# Altium PCB qfc.PcbDoc (part 6 of 13)
Units mil, origin at the board's own origin, x right, y up, seen from the top; angles counter-clockwise.
Board outline 1990 x 2620 mil, 4 copper layers (Top Layer, Mid-Layer 1, Mid-Layer 2, Bottom Layer); 217 components, 187 nets, 805 pads, 370 vias.
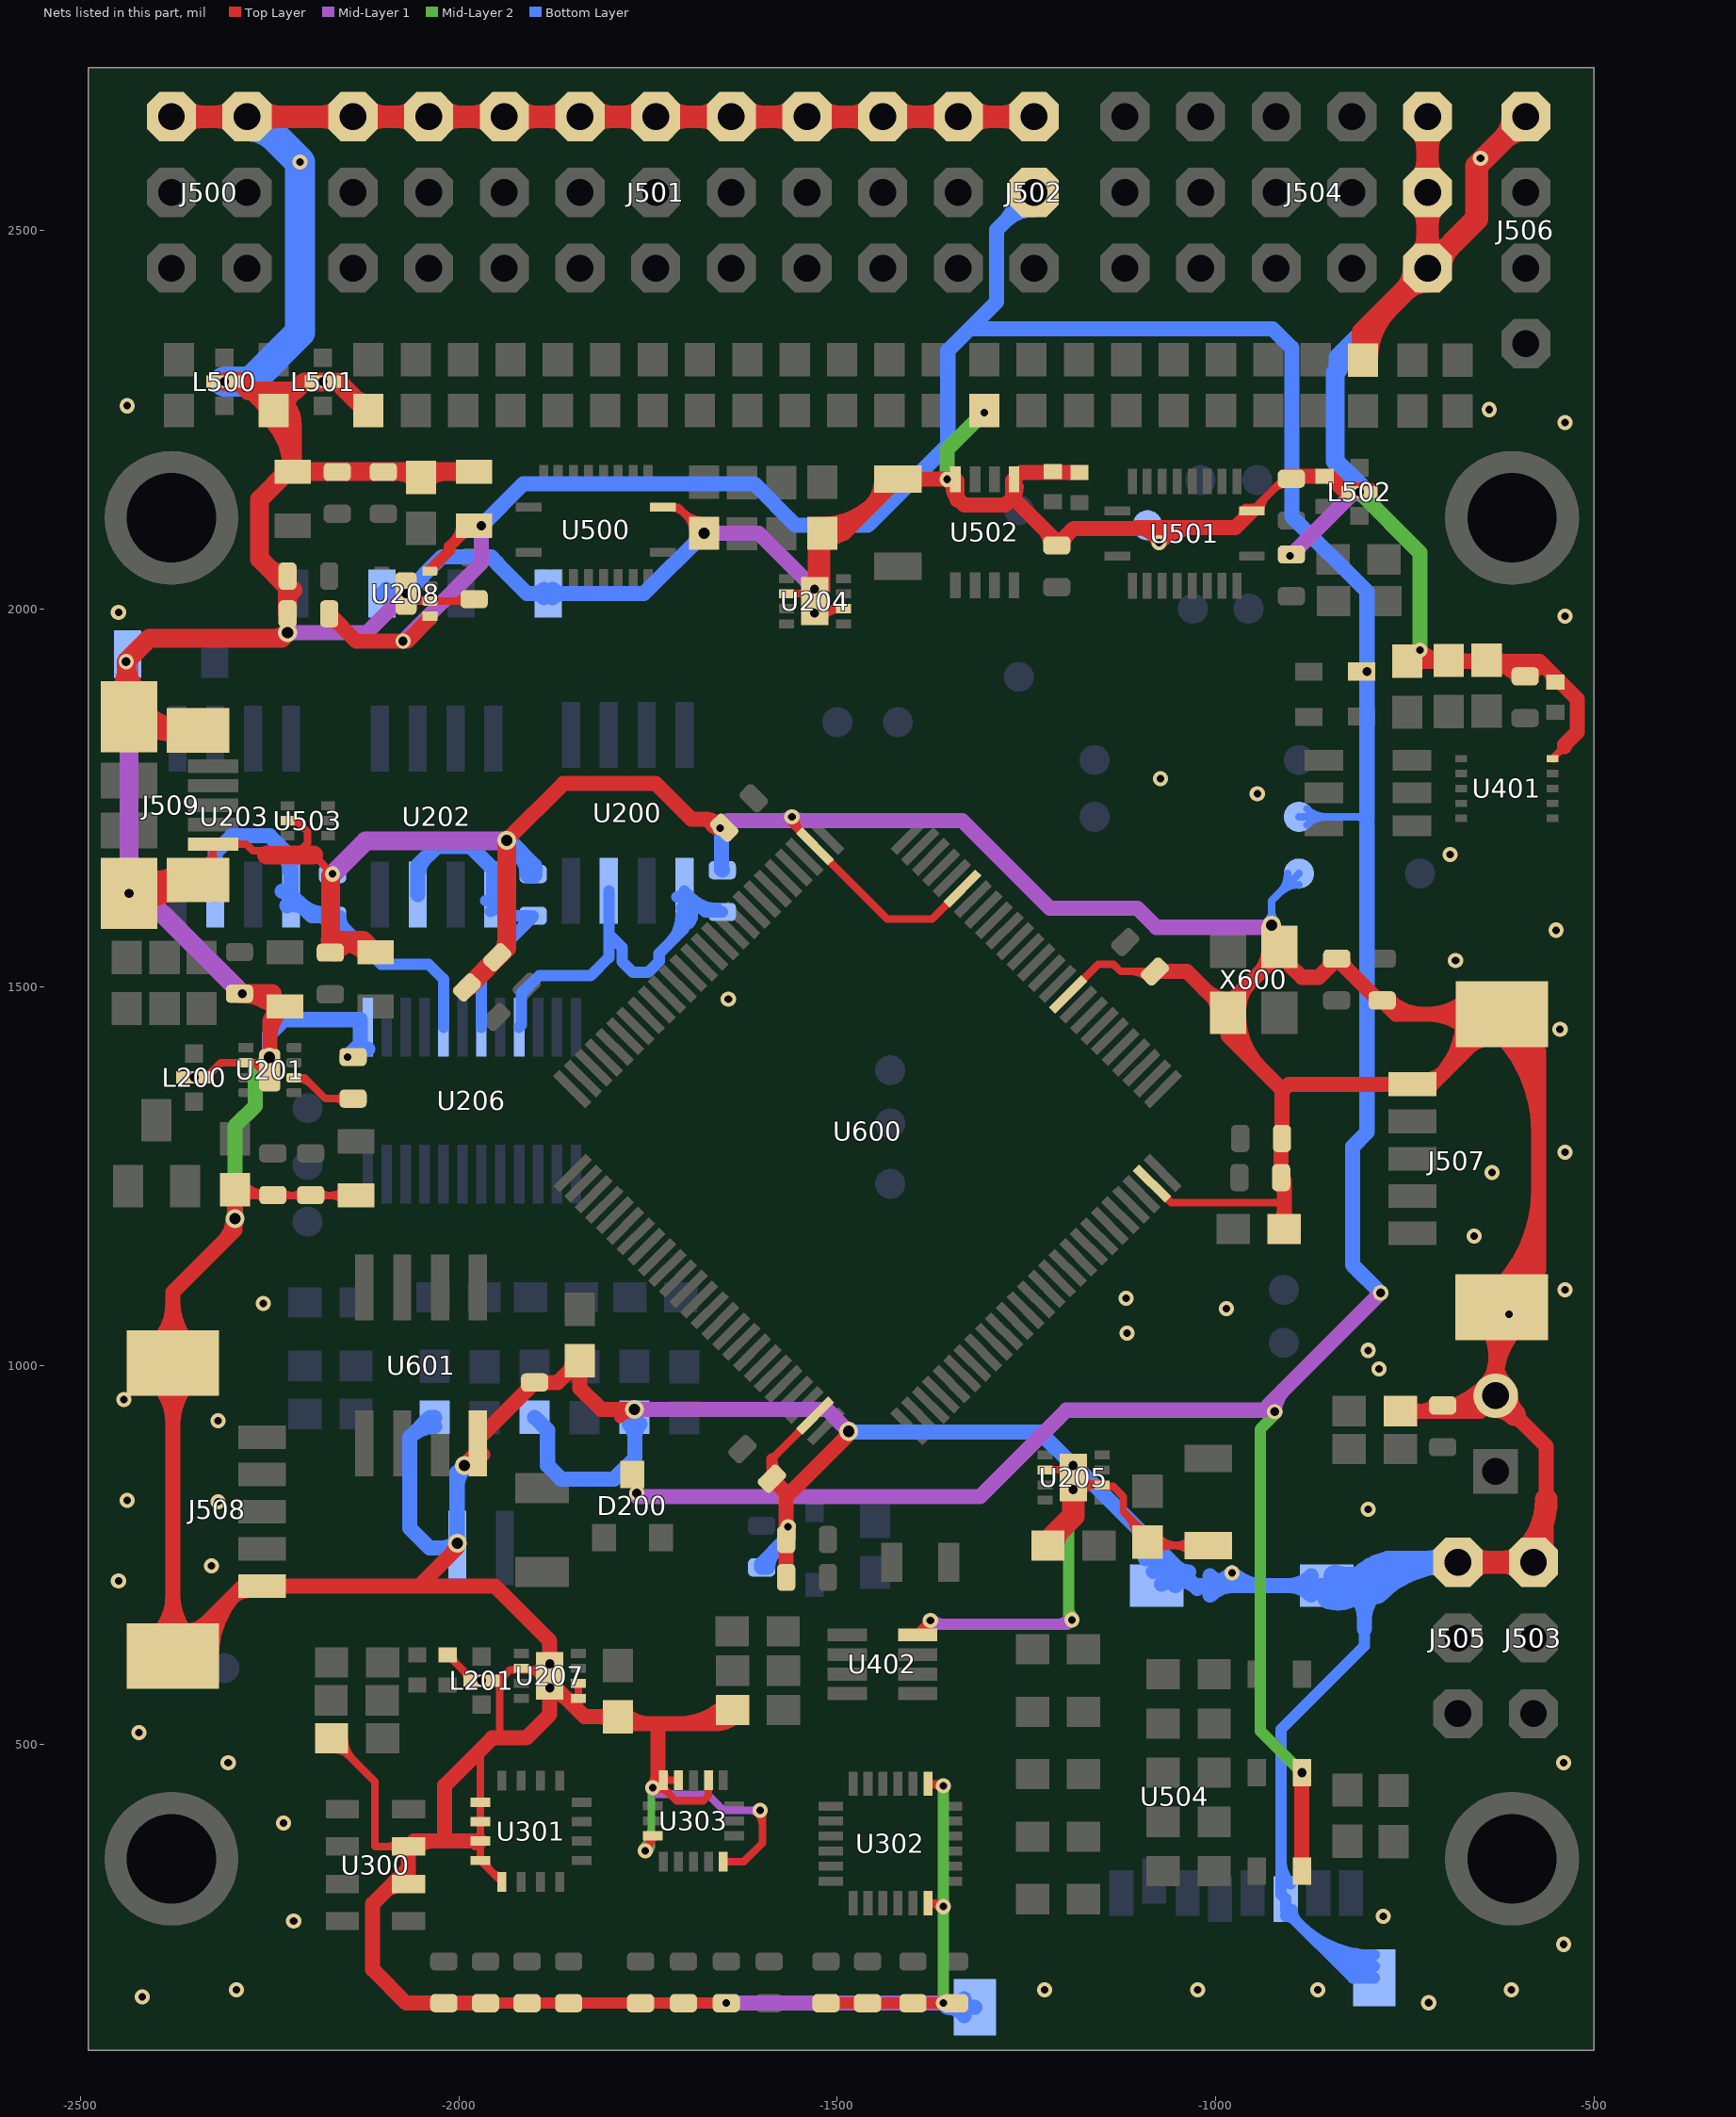
[diagram p8: the nets of this part, all layers, seen from the top]

## Via types
v1: diameter 20, hole 10, Top Layer to Bottom Layer, tented both sides, 256 vias
v2: diameter 22, hole 12, Top Layer to Bottom Layer, tented both sides, 31 vias
v3: diameter 25, hole 15, Top Layer to Bottom Layer, tented both sides, 29 vias
v4: diameter 20, hole 12, Top Layer to Bottom Layer, tented both sides, 17 vias
v5: diameter 30, hole 15, Top Layer to Bottom Layer, tented both sides, 12 vias
v6: diameter 25, hole 12, Top Layer to Bottom Layer, tented both sides, 11 vias
v7: diameter 25, hole 13, Top Layer to Bottom Layer, tented both sides, 5 vias
v8: diameter 40, hole 25, Top Layer to Bottom Layer, tented both sides, 2 vias
v9: diameter 23, hole 13, Top Layer to Bottom Layer, tented both sides, 2 vias
v10: diameter 30, hole 20, Top Layer to Bottom Layer, tented both sides, 2 vias
v11: diameter 20, hole 13, Top Layer to Bottom Layer, tented both sides, 1 vias
v12: diameter 20, hole 15, Top Layer to Bottom Layer, tented both sides, 1 vias
v13: diameter 30, hole 18, Top Layer to Bottom Layer, tented both sides, 1 vias

## Nets (pads, with @x,y where several pads share a name; then routed paths per layer and width w, separated by ;. In a path a pad name is that pad's centre, name@x,y a point inside that pad or via, vN(x,y) a via of type N, cw(c..) or ccw(c..) an arc to the next point about the centre after c; other vN are vias at no path point) (continued)
GND: (continued)
  Top Layer w30: J500.GND@-2380,2650 J500.GND@-2280,2650 J501.GND@-2140,2650 J501.GND@-2040,2650 J501.GND@-1940,2650 J501.GND@-1840,2650 J501.GND@-1740,2650 J501.GND@-1640,2650 J501.GND@-1540,2650 J501.GND@-1440,2650 J501.GND@-1340,2650 J502.GND@-1240,2650 ; U204.GND@-1524,2025.75 -1524,2095.54 R221.1@-1520,2099.54 ; R219.1@-1221.65,762.16 -1221.65,767.8 -1188.19,801.27 U205.GND@-1188.19,836.16 ; R513.1@-805.19,2328.46 -805.19,2364.81 J504.GND@-720,2450 ; J504.GND@-720,2650 J504.GND@-720,2550 J504.GND@-720,2450 ; J505.GND@-680,740 J503.GND@-580,740 ; P400.2@-630,945.47 cw(c-630,910.4) -605.2,935.2 cw(c-580.4,960) P400.2@-615.47,960 ; J506.GND@-590,2650 -655,2585 -655,2515 J504.GND@-720,2450 ; -563,823.29 cw(c-663.29,823.29) J503.GND@-592.37,752.38 ; J500.GND@-2367.63,2637.63 cw(c-2337.75,2607.75) -2337.75,2650 ; J500.GND@-2367.63,2637.63 cw(c-2337.75,2607.75) -2337.75,2650 ; J500.GND@-2367.63,2637.63 cw(c-2337.75,2607.75) -2337.75,2650 ; J500.GND@-2367.63,2637.63 cw(c-2337.75,2607.75) -2337.75,2650 ; J500.GND@-2367.63,2662.38 ccw(c-2337.75,2692.25) -2337.75,2650 ; J500.GND@-2367.63,2662.38 ccw(c-2337.75,2692.25) -2337.75,2650 ; J500.GND@-2367.63,2662.38 ccw(c-2337.75,2692.25) -2337.75,2650 ; J500.GND@-2367.63,2662.38 ccw(c-2337.75,2692.25) -2337.75,2650 ; -2322.25,2650 cw(c-2322.25,2607.75) J500.GND@-2292.37,2637.63 ; -2322.25,2650 ccw(c-2322.25,2692.25) J500.GND@-2292.37,2662.38 ; -2322.25,2650 cw(c-2322.25,2607.75) J500.GND@-2292.37,2637.63 ; -2322.25,2650 ccw(c-2322.25,2692.25) J500.GND@-2292.37,2662.38 ; -2322.25,2650 cw(c-2322.25,2607.75) J500.GND@-2292.37,2637.63 ; -2322.25,2650 ccw(c-2322.25,2692.25) J500.GND@-2292.37,2662.38 ; -2322.25,2650 cw(c-2322.25,2607.75) J500.GND@-2292.37,2637.63 ; -2322.25,2650 ccw(c-2322.25,2692.25) J500.GND@-2292.37,2662.38 ; J500.GND@-2267.63,2637.63 cw(c-2237.75,2607.75) -2237.75,2650 ; J500.GND@-2267.63,2637.63 cw(c-2237.75,2607.75) -2237.75,2650 ; J500.GND@-2267.63,2637.63 cw(c-2237.75,2607.75) -2237.75,2650 ; J500.GND@-2267.63,2637.63 cw(c-2237.75,2607.75) -2237.75,2650 ; J500.GND@-2267.63,2662.38 ccw(c-2237.75,2692.25) -2237.75,2650 ; J500.GND@-2267.63,2662.38 ccw(c-2237.75,2692.25) -2237.75,2650 ; J500.GND@-2267.63,2662.38 ccw(c-2237.75,2692.25) -2237.75,2650 ; J500.GND@-2267.63,2662.38 ccw(c-2237.75,2692.25) -2237.75,2650 ; -2182.25,2650 cw(c-2182.25,2607.75) J501.GND@-2152.37,2637.63 ; -2182.25,2650 ccw(c-2182.25,2692.25) J501.GND@-2152.37,2662.38 ; -2182.25,2650 cw(c-2182.25,2607.75) J501.GND@-2152.37,2637.63 ; -2182.25,2650 ccw(c-2182.25,2692.25) J501.GND@-2152.37,2662.38 ; -2182.25,2650 cw(c-2182.25,2607.75) J501.GND@-2152.37,2637.63 ; -2182.25,2650 ccw(c-2182.25,2692.25) J501.GND@-2152.37,2662.38 ; -2182.25,2650 cw(c-2182.25,2607.75) J501.GND@-2152.37,2637.63 ; -2182.25,2650 ccw(c-2182.25,2692.25) J501.GND@-2152.37,2662.38 ; J501.GND@-2127.63,2637.63 cw(c-2097.75,2607.75) -2097.75,2650 ; J501.GND@-2127.63,2637.63 cw(c-2097.75,2607.75) -2097.75,2650 ; J501.GND@-2127.63,2637.63 cw(c-2097.75,2607.75) -2097.75,2650 ; J501.GND@-2127.63,2637.63 cw(c-2097.75,2607.75) -2097.75,2650 ; J501.GND@-2127.63,2662.38 ccw(c-2097.75,2692.25) -2097.75,2650 ; J501.GND@-2127.63,2662.38 ccw(c-2097.75,2692.25) -2097.75,2650 ; J501.GND@-2127.63,2662.38 ccw(c-2097.75,2692.25) -2097.75,2650 ; J501.GND@-2127.63,2662.38 ccw(c-2097.75,2692.25) -2097.75,2650 ; -2082.25,2650 cw(c-2082.25,2607.75) J501.GND@-2052.37,2637.63 ; -2082.25,2650 ccw(c-2082.25,2692.25) J501.GND@-2052.37,2662.38 ; -2082.25,2650 cw(c-2082.25,2607.75) J501.GND@-2052.37,2637.63 ; -2082.25,2650 ccw(c-2082.25,2692.25) J501.GND@-2052.37,2662.38 ; -2082.25,2650 cw(c-2082.25,2607.75) J501.GND@-2052.37,2637.63 ; -2082.25,2650 ccw(c-2082.25,2692.25) J501.GND@-2052.37,2662.38 ; -2082.25,2650 cw(c-2082.25,2607.75) J501.GND@-2052.37,2637.63 ; -2082.25,2650 ccw(c-2082.25,2692.25) J501.GND@-2052.37,2662.38 ; J501.GND@-2027.63,2637.63 cw(c-1997.75,2607.75) -1997.75,2650 ; J501.GND@-2027.63,2637.63 cw(c-1997.75,2607.75) -1997.75,2650 ; J501.GND@-2027.63,2637.63 cw(c-1997.75,2607.75) -1997.75,2650 ; J501.GND@-2027.63,2637.63 cw(c-1997.75,2607.75) -1997.75,2650 ; J501.GND@-2027.63,2662.38 ccw(c-1997.75,2692.25) -1997.75,2650 ; J501.GND@-2027.63,2662.38 ccw(c-1997.75,2692.25) -1997.75,2650 ; J501.GND@-2027.63,2662.38 ccw(c-1997.75,2692.25) -1997.75,2650 ; J501.GND@-2027.63,2662.38 ccw(c-1997.75,2692.25) -1997.75,2650 ; -1982.25,2650 cw(c-1982.25,2607.75) J501.GND@-1952.37,2637.63 ; -1982.25,2650 ccw(c-1982.25,2692.25) J501.GND@-1952.37,2662.38 ; -1982.25,2650 cw(c-1982.25,2607.75) J501.GND@-1952.37,2637.63 ; -1982.25,2650 ccw(c-1982.25,2692.25) J501.GND@-1952.37,2662.38 ; -1982.25,2650 cw(c-1982.25,2607.75) J501.GND@-1952.37,2637.63 ; -1982.25,2650 ccw(c-1982.25,2692.25) J501.GND@-1952.37,2662.38 ; -1982.25,2650 cw(c-1982.25,2607.75) J501.GND@-1952.37,2637.63 ; -1982.25,2650 ccw(c-1982.25,2692.25) J501.GND@-1952.37,2662.38 ; J501.GND@-1927.63,2637.63 cw(c-1897.75,2607.75) -1897.75,2650 ; J501.GND@-1927.63,2637.63 cw(c-1897.75,2607.75) -1897.75,2650 ; J501.GND@-1927.63,2637.63 cw(c-1897.75,2607.75) -1897.75,2650 ; J501.GND@-1927.63,2637.63 cw(c-1897.75,2607.75) -1897.75,2650 ; J501.GND@-1927.63,2662.38 ccw(c-1897.75,2692.25) -1897.75,2650 ; J501.GND@-1927.63,2662.38 ccw(c-1897.75,2692.25) -1897.75,2650 ; J501.GND@-1927.63,2662.38 ccw(c-1897.75,2692.25) -1897.75,2650 ; J501.GND@-1927.63,2662.38 ccw(c-1897.75,2692.25) -1897.75,2650 ; -1882.25,2650 cw(c-1882.25,2607.75) J501.GND@-1852.37,2637.63 ; -1882.25,2650 ccw(c-1882.25,2692.25) J501.GND@-1852.37,2662.38 ; -1882.25,2650 cw(c-1882.25,2607.75) J501.GND@-1852.37,2637.63 ; -1882.25,2650 ccw(c-1882.25,2692.25) J501.GND@-1852.37,2662.38 ; -1882.25,2650 cw(c-1882.25,2607.75) J501.GND@-1852.37,2637.63 ; -1882.25,2650 ccw(c-1882.25,2692.25) J501.GND@-1852.37,2662.38 ; -1882.25,2650 cw(c-1882.25,2607.75) J501.GND@-1852.37,2637.63 ; -1882.25,2650 ccw(c-1882.25,2692.25) J501.GND@-1852.37,2662.38 ; J501.GND@-1827.63,2637.63 cw(c-1797.75,2607.75) -1797.75,2650 ; J501.GND@-1827.63,2637.63 cw(c-1797.75,2607.75) -1797.75,2650 ; J501.GND@-1827.63,2637.63 cw(c-1797.75,2607.75) -1797.75,2650 ; J501.GND@-1827.63,2637.63 cw(c-1797.75,2607.75) -1797.75,2650 ; J501.GND@-1827.63,2662.38 ccw(c-1797.75,2692.25) -1797.75,2650 ; J501.GND@-1827.63,2662.38 ccw(c-1797.75,2692.25) -1797.75,2650 ; J501.GND@-1827.63,2662.38 ccw(c-1797.75,2692.25) -1797.75,2650 ; J501.GND@-1827.63,2662.38 ccw(c-1797.75,2692.25) -1797.75,2650 ; -1782.25,2650 cw(c-1782.25,2607.75) J501.GND@-1752.37,2637.63 ; -1782.25,2650 ccw(c-1782.25,2692.25) J501.GND@-1752.37,2662.38 ; -1782.25,2650 cw(c-1782.25,2607.75) J501.GND@-1752.37,2637.63 ; -1782.25,2650 ccw(c-1782.25,2692.25) J501.GND@-1752.37,2662.38 ; -1782.25,2650 cw(c-1782.25,2607.75) J501.GND@-1752.37,2637.63 ; -1782.25,2650 ccw(c-1782.25,2692.25) J501.GND@-1752.37,2662.38 ; -1782.25,2650 cw(c-1782.25,2607.75) J501.GND@-1752.37,2637.63 ; -1782.25,2650 ccw(c-1782.25,2692.25) J501.GND@-1752.37,2662.38 ; J501.GND@-1727.63,2637.63 cw(c-1697.75,2607.75) -1697.75,2650 ; J501.GND@-1727.63,2637.63 cw(c-1697.75,2607.75) -1697.75,2650 ; J501.GND@-1727.63,2637.63 cw(c-1697.75,2607.75) -1697.75,2650 ; J501.GND@-1727.63,2637.63 cw(c-1697.75,2607.75) -1697.75,2650 ; J501.GND@-1727.63,2662.38 ccw(c-1697.75,2692.25) -1697.75,2650 ; J501.GND@-1727.63,2662.38 ccw(c-1697.75,2692.25) -1697.75,2650 ; J501.GND@-1727.63,2662.38 ccw(c-1697.75,2692.25) -1697.75,2650 ; J501.GND@-1727.63,2662.38 ccw(c-1697.75,2692.25) -1697.75,2650 ; -1682.25,2650 cw(c-1682.25,2607.75) J501.GND@-1652.37,2637.63 ; -1682.25,2650 ccw(c-1682.25,2692.25) J501.GND@-1652.37,2662.38 ; -1682.25,2650 cw(c-1682.25,2607.75) J501.GND@-1652.37,2637.63 ; -1682.25,2650 ccw(c-1682.25,2692.25) J501.GND@-1652.37,2662.38 ; -1682.25,2650 cw(c-1682.25,2607.75) J501.GND@-1652.37,2637.63 ; -1682.25,2650 ccw(c-1682.25,2692.25) J501.GND@-1652.37,2662.38 ; -1682.25,2650 cw(c-1682.25,2607.75) J501.GND@-1652.37,2637.63 ; -1682.25,2650 ccw(c-1682.25,2692.25) J501.GND@-1652.37,2662.38 ; J501.GND@-1627.63,2637.63 cw(c-1597.75,2607.75) -1597.75,2650 ; J501.GND@-1627.63,2637.63 cw(c-1597.75,2607.75) -1597.75,2650 ; J501.GND@-1627.63,2637.63 cw(c-1597.75,2607.75) -1597.75,2650 ; J501.GND@-1627.63,2637.63 cw(c-1597.75,2607.75) -1597.75,2650 ; J501.GND@-1627.63,2662.38 ccw(c-1597.75,2692.25) -1597.75,2650 ; J501.GND@-1627.63,2662.38 ccw(c-1597.75,2692.25) -1597.75,2650 ; J501.GND@-1627.63,2662.38 ccw(c-1597.75,2692.25) -1597.75,2650 ; J501.GND@-1627.63,2662.38 ccw(c-1597.75,2692.25) -1597.75,2650 ; -1582.25,2650 cw(c-1582.25,2607.75) J501.GND@-1552.37,2637.63 ; -1582.25,2650 ccw(c-1582.25,2692.25) J501.GND@-1552.37,2662.38 ; -1582.25,2650 cw(c-1582.25,2607.75) J501.GND@-1552.37,2637.63 ; -1582.25,2650 ccw(c-1582.25,2692.25) J501.GND@-1552.37,2662.38 ; -1582.25,2650 cw(c-1582.25,2607.75) J501.GND@-1552.37,2637.63 ; -1582.25,2650 ccw(c-1582.25,2692.25) J501.GND@-1552.37,2662.38 ; -1582.25,2650 cw(c-1582.25,2607.75) J501.GND@-1552.37,2637.63 ; -1582.25,2650 ccw(c-1582.25,2692.25) J501.GND@-1552.37,2662.38 ; U204.GND@-1532.12,2025.62 ccw(c-1551.73,2045.23) -1524,2045.23 ; U204.GND@-1532.12,2025.62 ccw(c-1551.73,2045.23) -1524,2045.23 ; U204.GND@-1532.12,2025.62 ccw(c-1551.73,2045.23) -1524,2045.23 ; U204.GND@-1532.12,2025.62 ccw(c-1551.73,2045.23) -1524,2045.23 ; J501.GND@-1527.63,2637.63 cw(c-1497.75,2607.75) -1497.75,2650 ; J501.GND@-1527.63,2637.63 cw(c-1497.75,2607.75) -1497.75,2650 ; J501.GND@-1527.63,2637.63 cw(c-1497.75,2607.75) -1497.75,2650 ; J501.GND@-1527.63,2637.63 cw(c-1497.75,2607.75) -1497.75,2650 ; J501.GND@-1527.63,2662.38 ccw(c-1497.75,2692.25) -1497.75,2650 ; J501.GND@-1527.63,2662.38 ccw(c-1497.75,2692.25) -1497.75,2650 ; J501.GND@-1527.63,2662.38 ccw(c-1497.75,2692.25) -1497.75,2650 ; J501.GND@-1527.63,2662.38 ccw(c-1497.75,2692.25) -1497.75,2650 ; -1524,2075.81 cw(c-1498.27,2075.81) R221.1@-1516.46,2094 ; -1524,2075.81 cw(c-1498.27,2075.81) R221.1@-1516.46,2094 ; -1524,2075.81 cw(c-1498.27,2075.81) R221.1@-1516.46,2094 ; -1524,2075.81 cw(c-1498.27,2075.81) R221.1@-1516.46,2094 ; -1482.25,2650 cw(c-1482.25,2607.75) J501.GND@-1452.37,2637.63 ; -1482.25,2650 ccw(c-1482.25,2692.25) J501.GND@-1452.37,2662.38 ; -1482.25,2650 cw(c-1482.25,2607.75) J501.GND@-1452.37,2637.63 ; -1482.25,2650 ccw(c-1482.25,2692.25) J501.GND@-1452.37,2662.38 ; -1482.25,2650 cw(c-1482.25,2607.75) J501.GND@-1452.37,2637.63 ; -1482.25,2650 ccw(c-1482.25,2692.25) J501.GND@-1452.37,2662.38 ; -1482.25,2650 cw(c-1482.25,2607.75) J501.GND@-1452.37,2637.63 ; -1482.25,2650 ccw(c-1482.25,2692.25) J501.GND@-1452.37,2662.38 ; J501.GND@-1427.63,2637.63 cw(c-1397.75,2607.75) -1397.75,2650 ; J501.GND@-1427.63,2637.63 cw(c-1397.75,2607.75) -1397.75,2650 ; J501.GND@-1427.63,2637.63 cw(c-1397.75,2607.75) -1397.75,2650 ; J501.GND@-1427.63,2637.63 cw(c-1397.75,2607.75) -1397.75,2650 ; J501.GND@-1427.63,2662.38 ccw(c-1397.75,2692.25) -1397.75,2650 ; J501.GND@-1427.63,2662.38 ccw(c-1397.75,2692.25) -1397.75,2650 ; J501.GND@-1427.63,2662.38 ccw(c-1397.75,2692.25) -1397.75,2650 ; J501.GND@-1427.63,2662.38 ccw(c-1397.75,2692.25) -1397.75,2650 ; -1382.25,2650 cw(c-1382.25,2607.75) J501.GND@-1352.37,2637.63 ; -1382.25,2650 ccw(c-1382.25,2692.25) J501.GND@-1352.37,2662.38 ; -1382.25,2650 cw(c-1382.25,2607.75) J501.GND@-1352.37,2637.63 ; -1382.25,2650 ccw(c-1382.25,2692.25) J501.GND@-1352.37,2662.38 ; -1382.25,2650 cw(c-1382.25,2607.75) J501.GND@-1352.37,2637.63 ; -1382.25,2650 ccw(c-1382.25,2692.25) J501.GND@-1352.37,2662.38 ; -1382.25,2650 cw(c-1382.25,2607.75) J501.GND@-1352.37,2637.63 ; -1382.25,2650 ccw(c-1382.25,2692.25) J501.GND@-1352.37,2662.38 ; J501.GND@-1327.63,2637.63 cw(c-1297.75,2607.75) -1297.75,2650 ; J501.GND@-1327.63,2637.63 cw(c-1297.75,2607.75) -1297.75,2650 ; J501.GND@-1327.63,2637.63 cw(c-1297.75,2607.75) -1297.75,2650 ; J501.GND@-1327.63,2637.63 cw(c-1297.75,2607.75) -1297.75,2650 ; J501.GND@-1327.63,2662.38 ccw(c-1297.75,2692.25) -1297.75,2650 ; J501.GND@-1327.63,2662.38 ccw(c-1297.75,2692.25) -1297.75,2650 ; J501.GND@-1327.63,2662.38 ccw(c-1297.75,2692.25) -1297.75,2650 ; J501.GND@-1327.63,2662.38 ccw(c-1297.75,2692.25) -1297.75,2650 ; -1282.25,2650 cw(c-1282.25,2607.75) J502.GND@-1252.37,2637.63 ; -1282.25,2650 ccw(c-1282.25,2692.25) J502.GND@-1252.37,2662.38 ; -1282.25,2650 cw(c-1282.25,2607.75) J502.GND@-1252.37,2637.63 ; -1282.25,2650 ccw(c-1282.25,2692.25) J502.GND@-1252.37,2662.38 ; -1282.25,2650 cw(c-1282.25,2607.75) J502.GND@-1252.37,2637.63 ; -1282.25,2650 ccw(c-1282.25,2692.25) J502.GND@-1252.37,2662.38 ; -1282.25,2650 cw(c-1282.25,2607.75) J502.GND@-1252.37,2637.63 ; -1282.25,2650 ccw(c-1282.25,2692.25) J502.GND@-1252.37,2662.38 ; R219.1@-1214.65,762.16 cw(c-1184.12,762.16) -1205.71,783.75 ; R219.1@-1214.65,762.16 cw(c-1184.12,762.16) -1205.71,783.75 ; R219.1@-1214.65,762.16 cw(c-1184.12,762.16) -1205.71,783.75 ; R219.1@-1214.65,762.16 cw(c-1184.12,762.16) -1205.71,783.75 ; R513.1@-800.19,2330.46 cw(c-705.19,2330.46) -772.36,2397.64 ; R513.1@-800.19,2330.46 cw(c-705.19,2330.46) -772.36,2397.64 ; R513.1@-800.19,2330.46 cw(c-705.19,2330.46) -772.36,2397.64 ; R513.1@-800.19,2330.46 cw(c-705.19,2330.46) -772.36,2397.64 ; -749.87,2420.13 cw(c-720,2390.25) J504.GND@-720,2432.5 ; -749.87,2420.13 ccw(c-779.75,2450) J504.GND@-737.5,2450 ; -749.87,2420.13 cw(c-720,2390.25) J504.GND@-720,2432.5 ; -749.87,2420.13 ccw(c-779.75,2450) J504.GND@-737.5,2450 ; -749.87,2420.13 cw(c-720,2390.25) J504.GND@-720,2432.5 ; -749.87,2420.13 ccw(c-779.75,2450) J504.GND@-737.5,2450 ; -749.87,2420.13 cw(c-720,2390.25) J504.GND@-720,2432.5 ; -749.87,2420.13 ccw(c-779.75,2450) J504.GND@-737.5,2450 ; J504.GND@-732.37,2462.37 ccw(c-762.25,2492.25) -720,2492.25 ; J504.GND@-732.37,2462.37 ccw(c-762.25,2492.25) -720,2492.25 ; J504.GND@-732.37,2462.37 ccw(c-762.25,2492.25) -720,2492.25 ; J504.GND@-732.37,2462.37 ccw(c-762.25,2492.25) -720,2492.25 ; J504.GND@-732.37,2537.63 cw(c-762.25,2507.75) -720,2507.75 ; J504.GND@-732.37,2537.63 cw(c-762.25,2507.75) -720,2507.75 ; J504.GND@-732.37,2537.63 cw(c-762.25,2507.75) -720,2507.75 ; J504.GND@-732.37,2537.63 cw(c-762.25,2507.75) -720,2507.75 ; J504.GND@-732.37,2562.37 ccw(c-762.25,2592.25) -720,2592.25 ; J504.GND@-732.37,2562.37 ccw(c-762.25,2592.25) -720,2592.25 ; J504.GND@-732.37,2562.37 ccw(c-762.25,2592.25) -720,2592.25 ; J504.GND@-732.37,2562.37 ccw(c-762.25,2592.25) -720,2592.25 ; J504.GND@-732.37,2637.63 cw(c-762.25,2607.75) -720,2607.75 ; J504.GND@-732.37,2637.63 cw(c-762.25,2607.75) -720,2607.75 ; J504.GND@-732.37,2637.63 cw(c-762.25,2607.75) -720,2607.75 ; J504.GND@-732.37,2637.63 cw(c-762.25,2607.75) -720,2607.75 ; J504.GND@-720,2467.5 ccw(c-720,2509.75) -690.13,2479.87 ; J504.GND@-720,2467.5 ccw(c-720,2509.75) -690.13,2479.87 ; J504.GND@-720,2467.5 ccw(c-720,2509.75) -690.13,2479.87 ; J504.GND@-720,2467.5 ccw(c-720,2509.75) -690.13,2479.87 ; -720,2492.25 ccw(c-677.75,2492.25) J504.GND@-707.63,2462.37 ; -720,2492.25 ccw(c-677.75,2492.25) J504.GND@-707.63,2462.37 ; -720,2492.25 ccw(c-677.75,2492.25) J504.GND@-707.63,2462.37 ; -720,2492.25 ccw(c-677.75,2492.25) J504.GND@-707.63,2462.37 ; -720,2507.75 cw(c-677.75,2507.75) J504.GND@-707.63,2537.63 ; -720,2507.75 cw(c-677.75,2507.75) J504.GND@-707.63,2537.63 ; -720,2507.75 cw(c-677.75,2507.75) J504.GND@-707.63,2537.63 ; -720,2507.75 cw(c-677.75,2507.75) J504.GND@-707.63,2537.63 ; -720,2592.25 ccw(c-677.75,2592.25) J504.GND@-707.63,2562.37 ; -720,2592.25 ccw(c-677.75,2592.25) J504.GND@-707.63,2562.37 ; -720,2592.25 ccw(c-677.75,2592.25) J504.GND@-707.63,2562.37 ; -720,2592.25 ccw(c-677.75,2592.25) J504.GND@-707.63,2562.37 ; -720,2607.75 cw(c-677.75,2607.75) J504.GND@-707.63,2637.63 ; -720,2607.75 cw(c-677.75,2607.75) J504.GND@-707.63,2637.63 ; -720,2607.75 cw(c-677.75,2607.75) J504.GND@-707.63,2637.63 ; -720,2607.75 cw(c-677.75,2607.75) J504.GND@-707.63,2637.63 ; J504.GND@-702.5,2450 cw(c-660.25,2450) -690.13,2479.87 ; J504.GND@-702.5,2450 cw(c-660.25,2450) -690.13,2479.87 ; J504.GND@-702.5,2450 cw(c-660.25,2450) -690.13,2479.87 ; J504.GND@-702.5,2450 cw(c-660.25,2450) -690.13,2479.87 ; J505.GND@-667.63,727.63 cw(c-637.75,697.75) -637.75,740 ; J505.GND@-667.63,727.63 cw(c-637.75,697.75) -637.75,740 ; J505.GND@-667.63,727.63 cw(c-637.75,697.75) -637.75,740 ; J505.GND@-667.63,727.63 cw(c-637.75,697.75) -637.75,740 ; J505.GND@-667.63,752.38 ccw(c-637.75,782.25) -637.75,740 ; J505.GND@-667.63,752.38 ccw(c-637.75,782.25) -637.75,740 ; J505.GND@-667.63,752.38 ccw(c-637.75,782.25) -637.75,740 ; J505.GND@-667.63,752.38 ccw(c-637.75,782.25) -637.75,740 ; -622.25,740 cw(c-622.25,697.75) J503.GND@-592.37,727.63 ; -622.25,740 ccw(c-622.25,782.25) J503.GND@-592.37,752.38 ; -622.25,740 cw(c-622.25,697.75) J503.GND@-592.37,727.63 ; -622.25,740 ccw(c-622.25,782.25) J503.GND@-592.37,752.38 ; -622.25,740 cw(c-622.25,697.75) J503.GND@-592.37,727.63 ; -622.25,740 ccw(c-622.25,782.25) J503.GND@-592.37,752.38 ; -622.25,740 cw(c-622.25,697.75) J503.GND@-592.37,727.63 ; -622.25,740 ccw(c-622.25,782.25) J503.GND@-592.37,752.38 ; -619.87,2620.13 cw(c-590,2590.25) J506.GND@-590,2632.5 ; -619.87,2620.13 ccw(c-649.75,2650) J506.GND@-607.5,2650 ; -619.87,2620.13 cw(c-590,2590.25) J506.GND@-590,2632.5 ; -619.87,2620.13 ccw(c-649.75,2650) J506.GND@-607.5,2650 ; -619.87,2620.13 cw(c-590,2590.25) J506.GND@-590,2632.5 ; -619.87,2620.13 ccw(c-649.75,2650) J506.GND@-607.5,2650 ; -619.87,2620.13 cw(c-590,2590.25) J506.GND@-590,2632.5 ; -619.87,2620.13 ccw(c-649.75,2650) J506.GND@-607.5,2650
  Mid-Layer 1 w10: v1(-1744,442) -1735.5,433.5 -1671.39,433.5 -1649.89,412 v1(-1602,412) v1@-1600,414 ; v1@-1747.54,438.46 ccw(c-1735.55,450.45) -1735.55,433.5 ; v1@-1747.54,438.46 ccw(c-1735.55,450.45) -1735.55,433.5 ; v1@-1747.54,438.46 ccw(c-1735.55,450.45) -1735.55,433.5 ; v1@-1747.54,438.46 ccw(c-1735.55,450.45) -1735.55,433.5 ; v1@-1740.46,445.54 ccw(c-1711.41,474.59) -1711.41,433.5 ; v1@-1740.46,445.54 ccw(c-1711.41,474.59) -1711.41,433.5 ; v1@-1740.46,445.54 ccw(c-1711.41,474.59) -1711.41,433.5 ; v1@-1740.46,445.54 ccw(c-1711.41,474.59) -1711.41,433.5 ; -1614.07,412 cw(c-1614.07,399.93) v1@-1605.54,408.46 ; -1614.07,412 ccw(c-1614.07,424.07) v1@-1605.54,415.54 ; -1614.07,412 cw(c-1614.07,399.93) v1@-1605.54,408.46 ; -1614.07,412 ccw(c-1614.07,424.07) v1@-1605.54,415.54 ; -1614.07,412 cw(c-1614.07,399.93) v1@-1605.54,408.46 ; -1614.07,412 ccw(c-1614.07,424.07) v1@-1605.54,415.54 ; -1614.07,412 cw(c-1614.07,399.93) v1@-1605.54,408.46 ; -1614.07,412 ccw(c-1614.07,424.07) v1@-1605.54,415.54